# Altium PCB PCB1.PcbDoc (part 1 of 2)
Units mil, origin at the board's own origin, x right, y up, seen from the top; angles counter-clockwise.
Board outline 5095 x 2755 mil, 4 copper layers (Top Layer, Power3V3, GroundGND, Bottom Layer), stack 23.756 mil thick; 96 components, 127 nets, 451 pads, 232 vias.
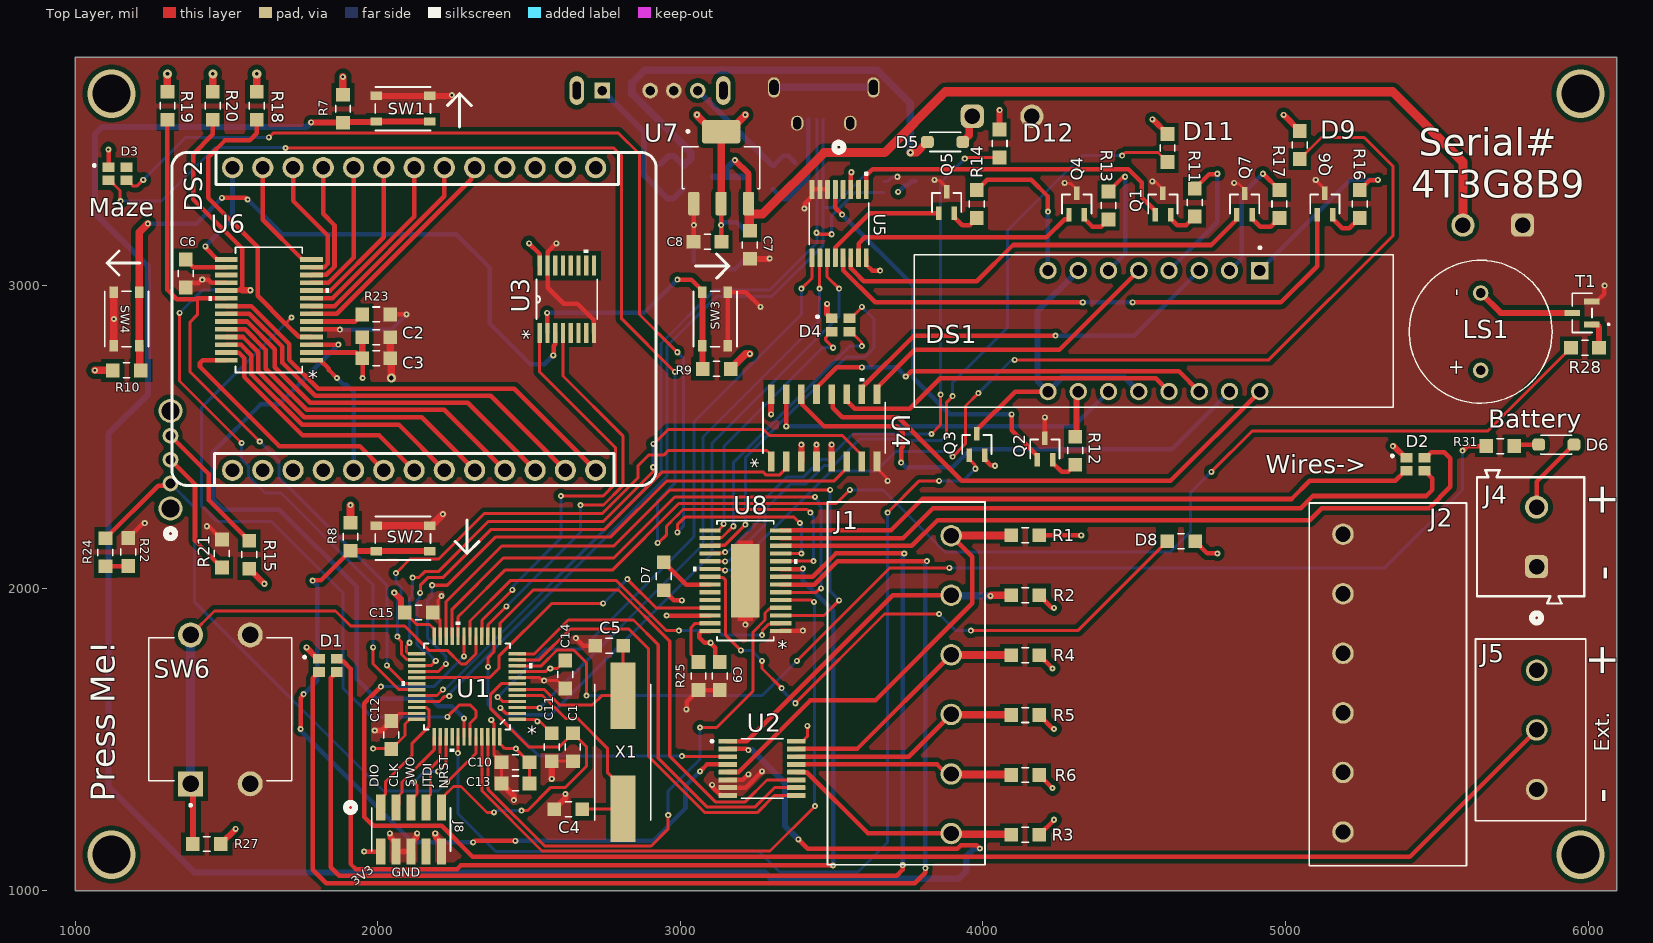
[diagram p0: Top Layer view]
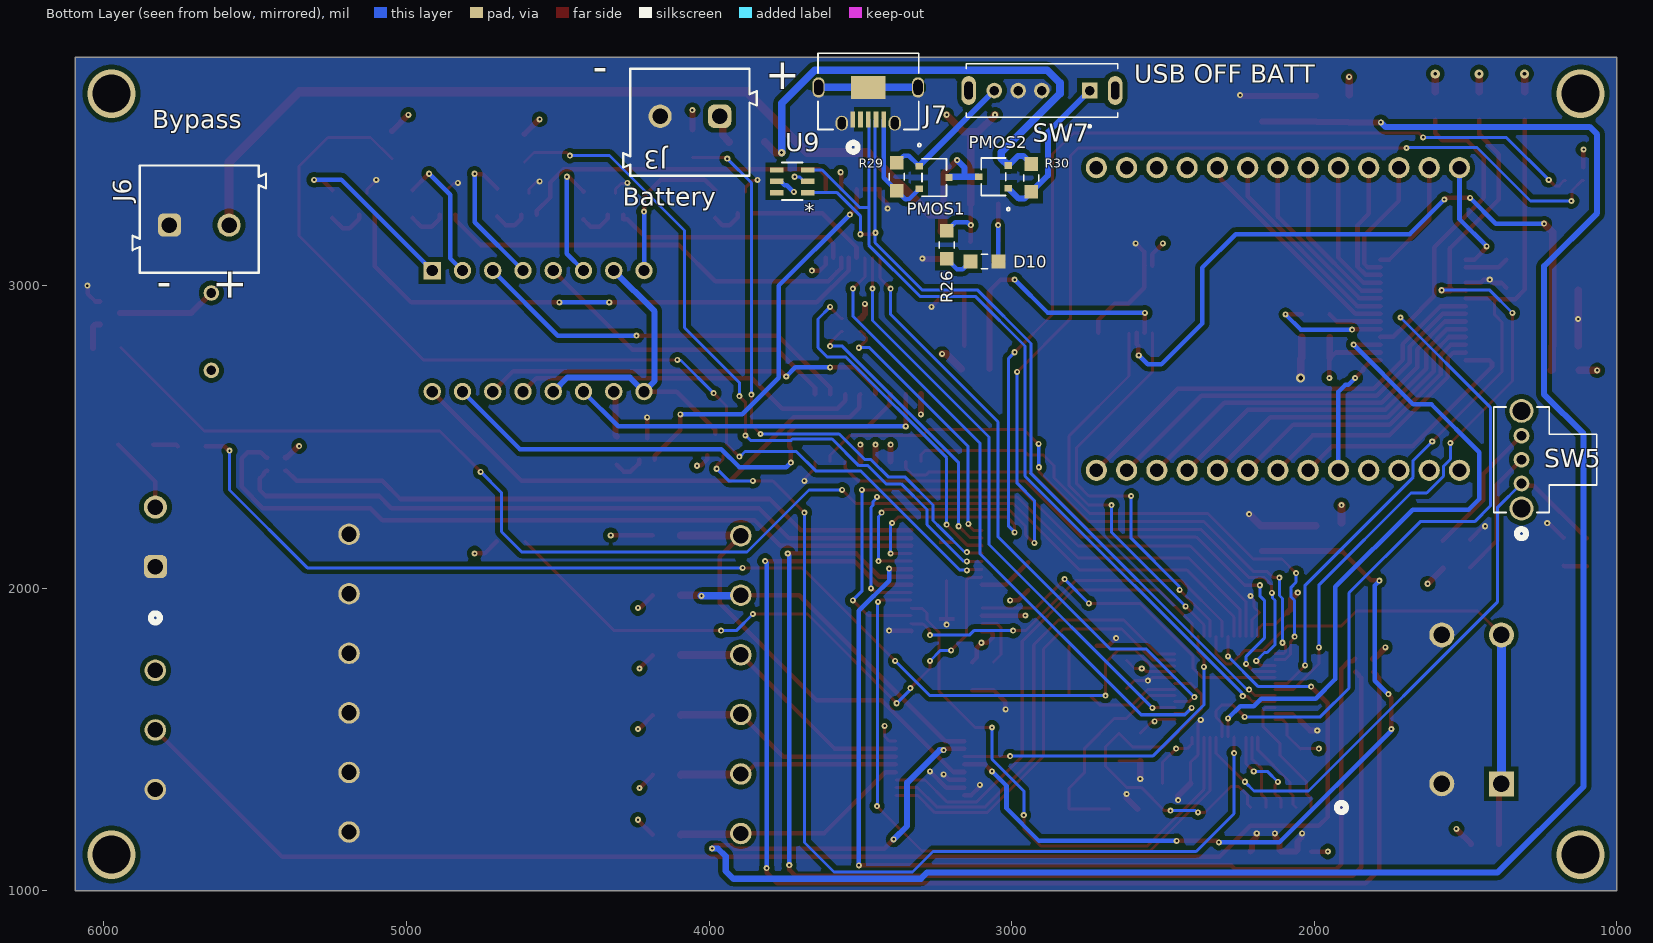
[diagram p1: Bottom Layer view, seen from below]
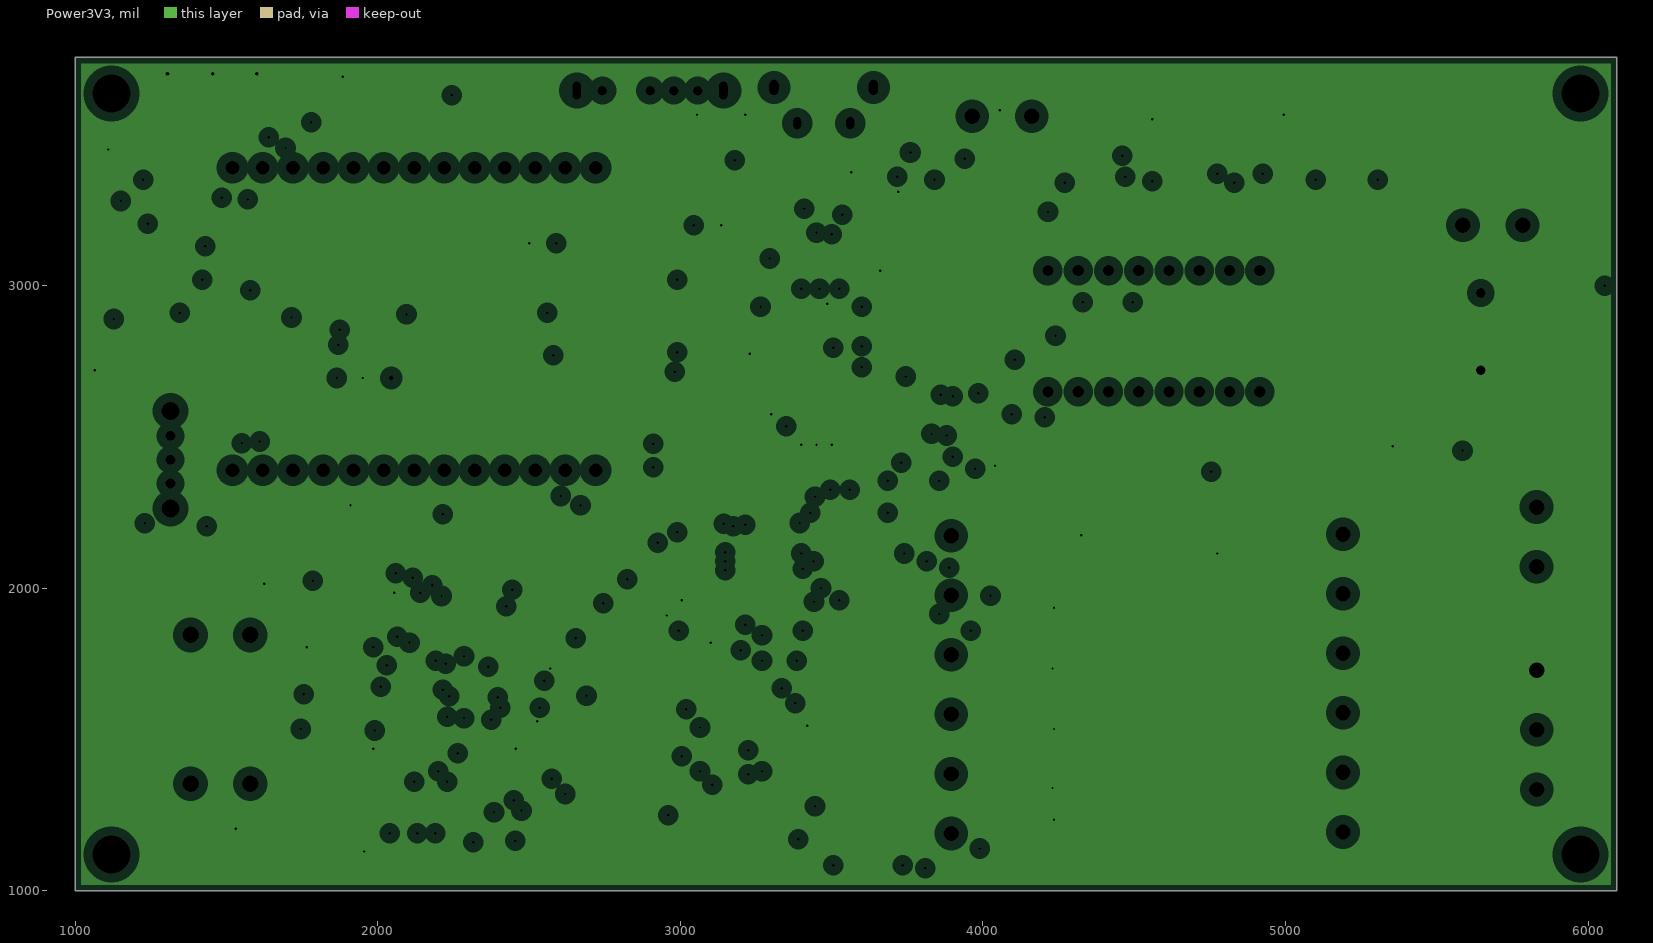
[diagram p2: Power3V3, clearances drawn from the general rule]
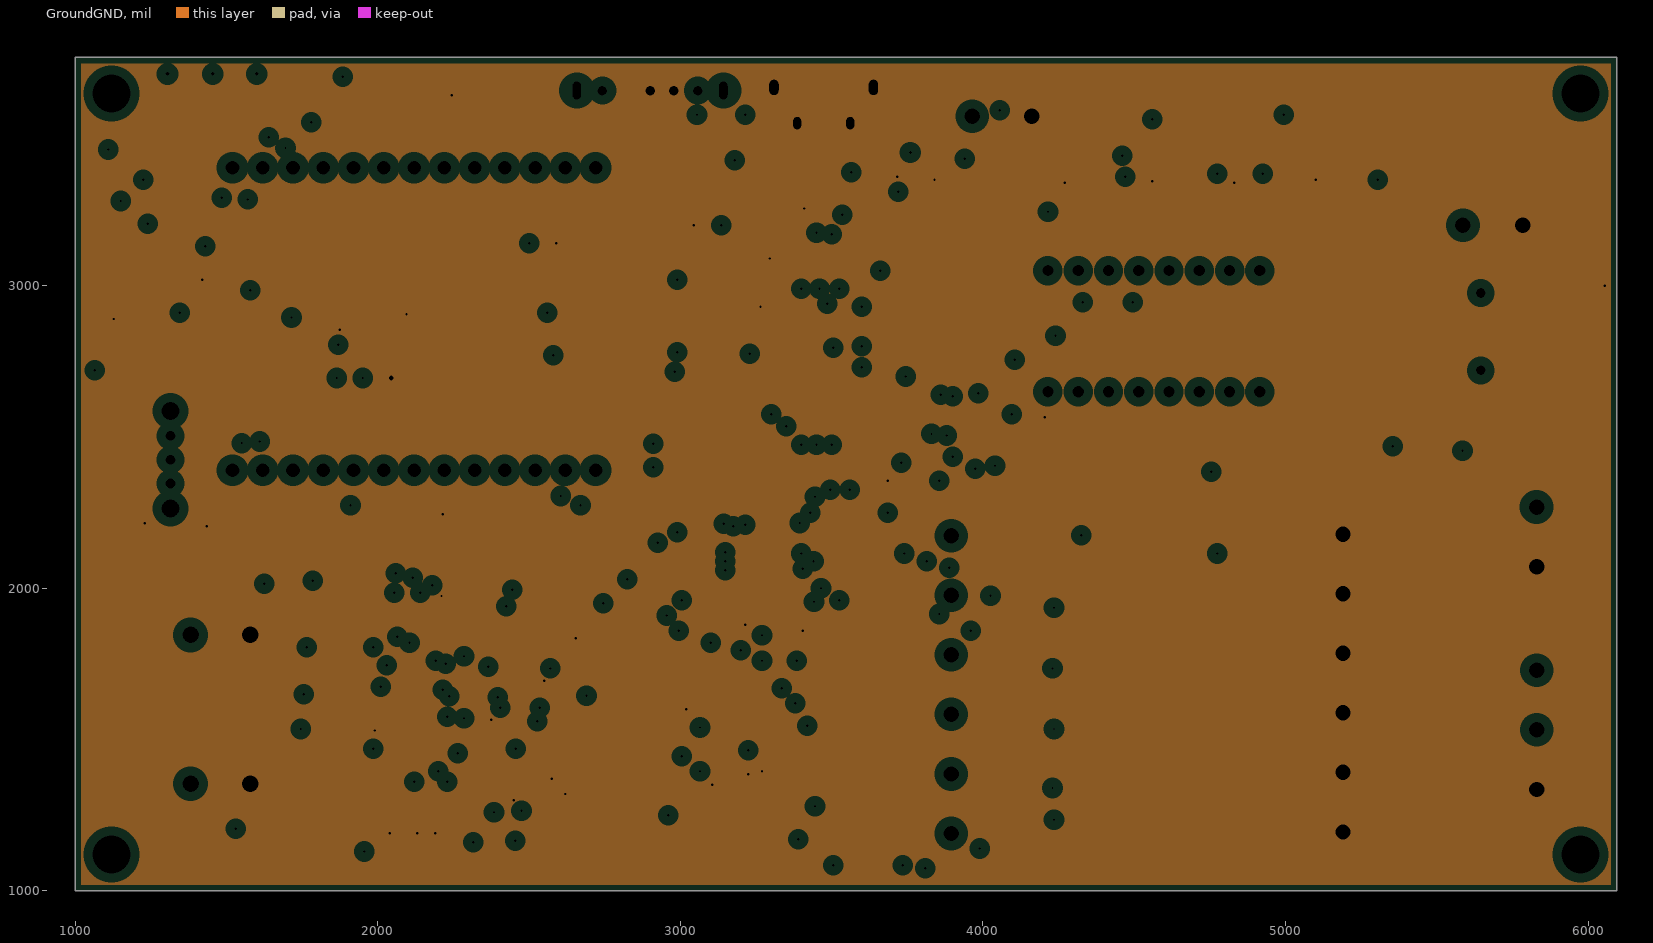
[diagram p3: GroundGND, clearances drawn from the general rule]
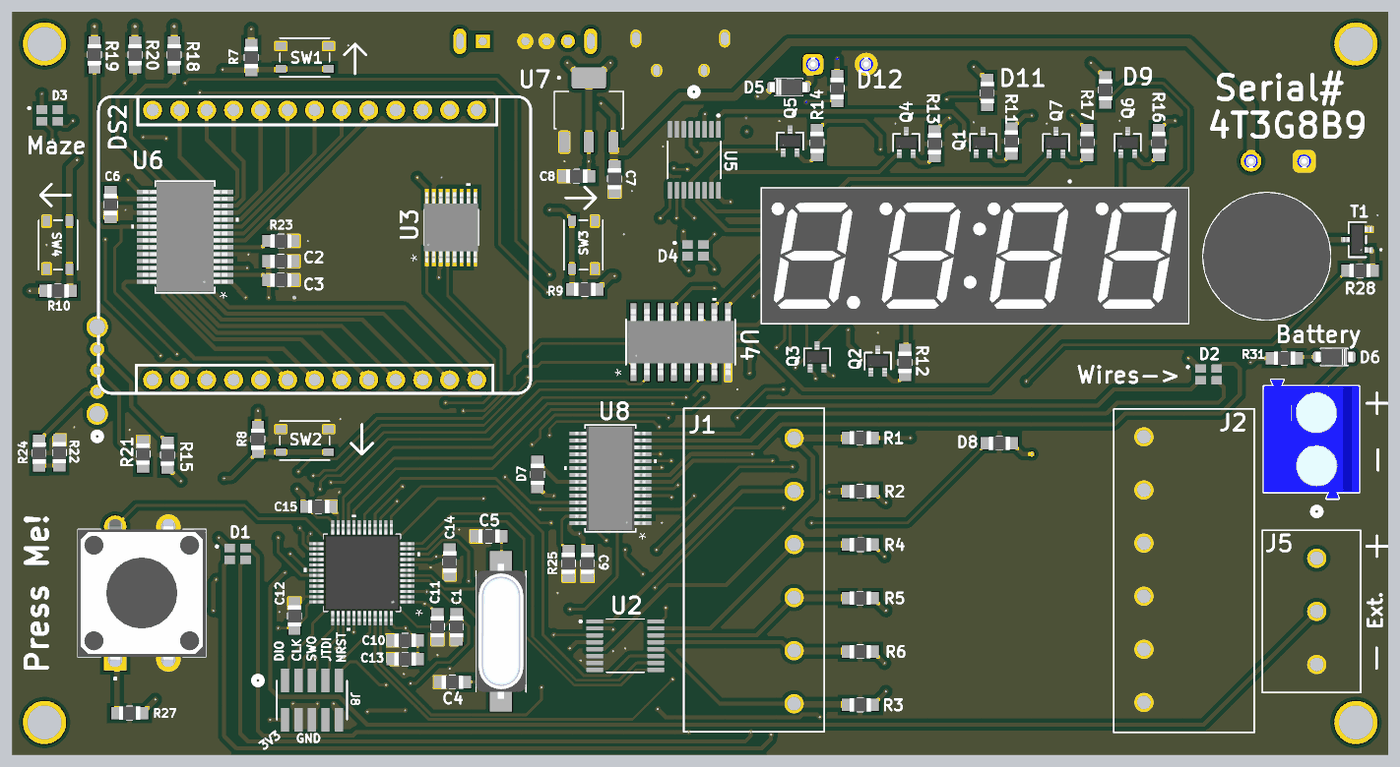
[diagram p5: 3D render of the assembled board from above, using the file's embedded part models]
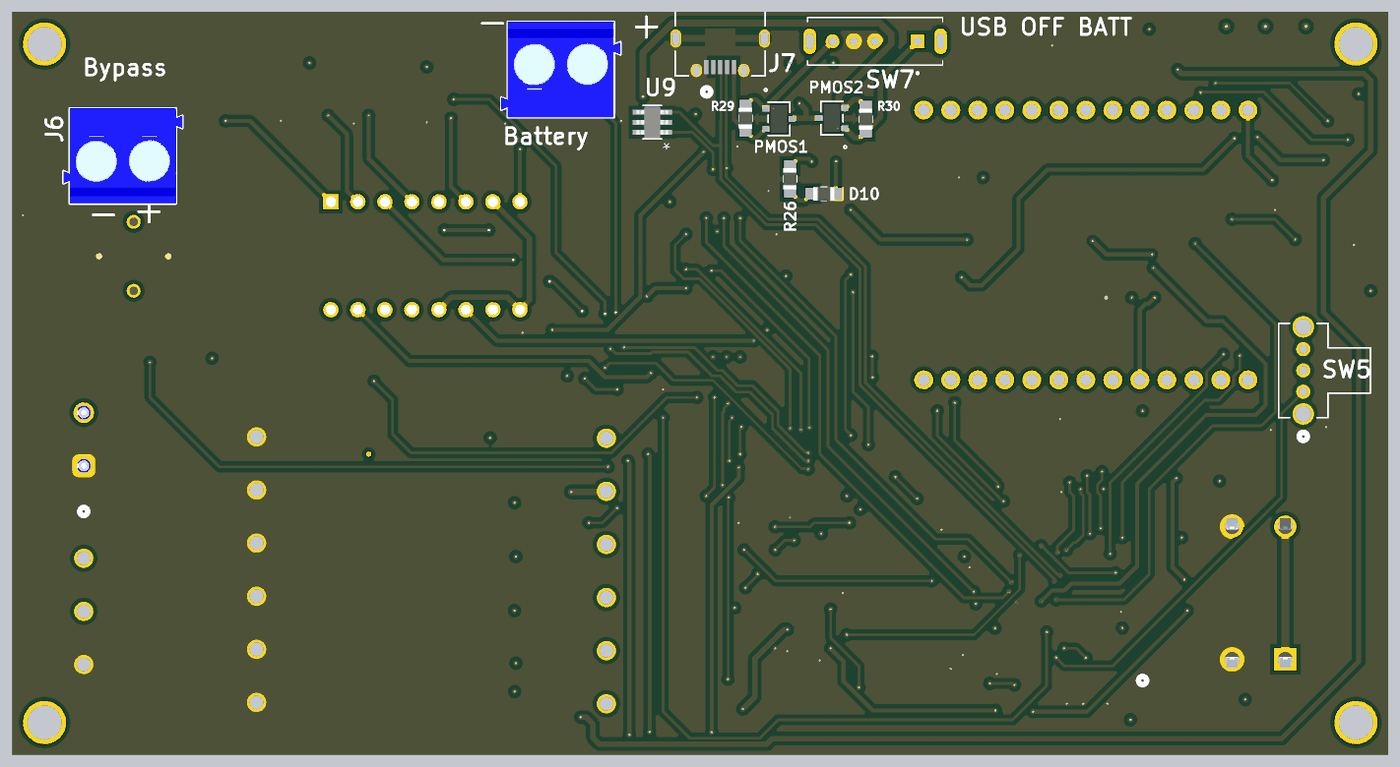
[diagram p6: 3D render of the assembled board from below, using the file's embedded part models]

## Layer stack, top to bottom
Top Solder: solder mask 0.4, Solder Resist, Dk 3.5
Top Layer: signal copper 1.4
Dielectric 2: prepreg 2.8, PP-006, Dk 4.1
Power3V3: plane copper 1.378, net +3V3
Dielectric 1: dielectric 12.6, FR-4, Dk 4.8
GroundGND: plane copper 1.378, net GND
Dielectric 5: prepreg 2.8, PP-006, Dk 4.1
Bottom Layer: signal copper 1.4
Bottom Solder: solder mask 0.4, Solder Resist, Dk 3.5

## Board outline
1000,1000 6095,1000 6095,3755 1000,3755

## Design rules (kind name [scope] priority, off if disabled: settings)
Clearance [All] p1: gap=15 ignorepadtopadclearanceinfootprint=TRUE except(7: Arc-Arc Arc-Track Arc-SMDPad Arc-THPad Arc-Via Track-Track Track-SMDPad Track-THPad Track-Via SMDPad-THPad; 10: Arc-Text Arc-Hole Track-Text Track-Hole SMDPad-SMDPad SMDPad-Via SMDPad-Text SMDPad-Hole THPad-THPad THPad-Via THPad-Text THPad-Hole Via-Via Via-Text Via-Hole Fill-Text Fill-Hole Poly-Text Poly-Hole Region-Text Region-Hole Text-Text Text-Hole)
ComponentClearance "LED Matrix" [InComponent('DS2') vs InComponent('U6')] p1: gap=0 collisioncheckmode=3 verticalgap=0 showdistances=FALSE donotcheckwithout3dbody=TRUE // Allows for stuff to be placed under the LED Matrix
ComponentClearance [All] p2: gap=10 collisioncheckmode=3 verticalgap=10 showdistances=FALSE
DiffPairsRouting [All] p1: maxlimit=10 minlimit=5 mostfreqgap=10 toplayer_minwidth=10 toplayer_maxwidth=15 toplayer_prefwidth=15 bottomlayer_minwidth=10 bottomlayer_maxwidth=15 bottomlayer_prefwidth=15 maxuncoupledlength=500
MinimumSolderMaskSliver MinimumSolderMaskSliver_MCU [InComponent('U1') vs InComponent('U1')] p1: minsoldermaskwidth=0
MinimumSolderMaskSliver MinimumSolderMaskSliver_USB [HasFootprint('USB MICRO AB 0475900001') vs HasFootprint('USB MICRO AB 0475900001')] p2: minsoldermaskwidth=0
MinimumSolderMaskSliver [All] p3: minsoldermaskwidth=10
PlaneClearance [All] p1: clearance=30
PlaneConnect [All] p1: planeconnectstyle=Direct reliefexpansion=20 reliefentries=4 reliefconductorwidth=10 reliefairgap=10
PolygonConnect [All] p1: connectstyle=Direct reliefconductorwidth=10 reliefentries=4 polygonreliefangle="90 Angle" airgapwidth=10
RoutingVias [All] p1: holewidth=8 width=20 viastyle="Through Hole" minholewidth=8 minwidth=20 maxholewidth=28 maxwidth=50
SilkToSilkClearance [All] p1: silktosilkclearance=0
SilkToSolderMaskClearance [IsPad] p1: minsilkscreentomaskgap=0 clearancetoexposedcopper=TRUE
SolderMaskExpansion [All] p1: expansion=4 istentingtop=FALSE
SupplyNets "Schematic Supply Nets_4" [InNet('+3V3')] p1: voltage=0.000
SupplyNets "Schematic Supply Nets_3" [InNet('GND')] p2: voltage=0.000
SupplyNets "Schematic Supply Nets_2" [InNet('VBatt')] p3: voltage=0.000
SupplyNets "Schematic Supply Nets_1" [InNet('Vusb')] p4: voltage=0.000
SupplyNets "Schematic Supply Nets" [InNet('Vin')] p5: voltage=0.000
Width [All] p1: maxlimit=50 minlimit=10 preferedwidth=10
23 further rules are at their usual default settings.

## Classes and differential pairs
differential pair USB: +MCU_USB_D+ -MCU_USB_D-

## Components (designator, comment, footprint, x,y, rotation, side; value= is the part's Value field where it differs from the comment)
C1 "0.1uF" 0805 2645,1475 r90 top value=100nF
C2 "1uF" 0805 1995,2830 r180 top
C3 "0.1uF" 0805 1995,2760 r180 top value=100nF
C4 "24pF" 0805 2630,1270 r0 top
C5 "24pF" 0805 2765,1810 r180 top
C6 "0.1uF" 0805 1365,3040 r270 top value=100nF
C7 "1uF" 0805 3230,3135 r90 top
C8 "4.7uF" 0805 3090,3145 r0 top
C9 "0.1uF" 0805 3130,1710 r90 top value=100nF
C10 "0.1uF" 0805 2455,1425 r0 top value=100nF
C11 "0.1uF" 0805 2575,1475 r90 top value=100nF
C12 "0.1uF" 0805 2045,1515 r270 top value=100nF
C13 "4.7uF" 0805 2455,1355 r0 top
C14 "1uF" 0805 2620,1715 r270 top
C15 "0.1uF" 0805 2135,1920 r180 top value=100nF
D1 "RGB LED" "RBG LED 4-SMD" 1835,1745 r0 top
D2 "RGB LED" "RBG LED 4-SMD" 5430,2410 r0 top
D3 "RGB LED" "RBG LED 4-SMD" 1140,3370 r0 top
D4 "RGB LED" "RBG LED 4-SMD" 3530,2870 r0 top
D5 "1A" "SOD-123F DIODE SCHOTTKY" 3875,3475 r0 top
D6 "1A" "SOD-123F DIODE SCHOTTKY" 5895,2475 r180 top
D7 "Red 2V" 0805 2945,2040 r90 top
D8 "Red 2V" 0805 4655,2155 r180 top
D9 "Red 2V" 0805 5047.5,3465 r270 top
D10 "Red 2V" 0805 3090,3080 r180 bottom
D11 "Red 2V" 0805 4610,3455 r270 top
D12 "Red 2V" 0805 4055,3470 r270 top
DS1 "TDCR1060M" "16-DIP 4CHAR-7SEG" 4565,2850 r180 top
DS2 "LED Matrix" "LED MATRIX 9X16 CHARLIE" 2720,3390 r180 top locked
J1 "5mm" "CON 6POS SCREW 5.00MM" 3895,2173.7 r90 top
J2 "5mm" "CON 6POS SCREW 5.00MM" 5190,1194.45 r270 top
J3 "5mm" "CON 2POS SCREW 5.00MM" 4063.43,3540.31 r0 bottom
J4 "5mm" "CON 2POS SCREW 5.00MM" 5810,2170 r90 top
J5 "5mm" "CONN 3POS 5.00MM" 5830,1728.7 r270 top
J6 "5mm" "CON 2POS SCREW 5.00MM" 5685,3220 r180 bottom
J7 "micro ab" "USB MICRO AB 0475900001" 3473.82,3457.54 r0 bottom
J8 "1.27mm" "CON 10PIN 2ROW 1.27MM" 2010,1275.67 r0 top
LS1 "CEM-1203(42)" "BUZZER CEM-1203(42)" 5645,2847.95 r90 top
PMOS1 "6A" "SOT-23F MOS PMOS 30V 6A" 3256,3357.6 r270 bottom
PMOS2 "6A" "SOT-23F MOS PMOS 30V 6A" 3060,3360 r90 bottom
Q1 "NMOS" "SOT-323 MOS" 4595,3270 r0 top
Q2 "NMOS" "SOT-323 MOS" 4205,2460 r0 top
Q3 "NMOS" "SOT-323 MOS" 3980,2475 r0 top
Q4 "NMOS" "SOT-323 MOS" 4310,3270 r0 top
Q5 "NMOS" "SOT-323 MOS" 3880,3275 r0 top
Q6 "NMOS" "SOT-323 MOS" 5130,3270 r0 top
Q7 "NMOS" "SOT-323 MOS" 4865,3269.5 r0 top
R1 "20k" 0805 4140,2175 r0 top value=20kR
R2 "20k" 0805 4140,1977 r0 top value=20kR
R3 "20k" 0805 4140,1185 r0 top value=20kR
R4 "20k" 0805 4140,1779 r0 top value=20kR
R5 "20k" 0805 4140,1581 r0 top value=20kR
R6 "20k" 0805 4140,1383 r0 top value=20kR
R7 "10k" 0805 1885,3585 r90 top value=10kR
R8 "10k" 0805 1910,2170 r90 top value=10kR
R9 "10k" 0805 3120,2725 r0 top value=10kR
R10 "10k" 0805 1170,2720 r180 top value=10kR
R11 "162" 0805 4700,3275 r90 top value=162R
R12 "162" 0805 4305,2455 r90 top value=162R
R13 "162" 0805 4415,3265 r90 top value=162R
R14 "162" 0805 3980,3270 r90 top value=162R
R15 "10k" 0805 1575,2111.26 r270 top value=10kR
R16 "162" 0805 5245,3270 r90 top value=162R
R17 "162" 0805 4980,3270 r90 top value=162R
R18 "4.7k" 0805 1600,3595 r90 top value=4.7kR
R19 "4.7k" 0805 1305,3595 r90 top value=4.7kR
R20 "4.7k" 0805 1455,3595 r90 top value=4.7kR
R21 "10k" 0805 1485,2115 r90 top value=10kR
R22 "20k" 0805 1175,2120 r270 top value=20kR
R23 "20k" 0805 1995,2905 r180 top value=20kR
R24 "20k" 0805 1100,2118.74 r90 top value=20kR
R25 "4.7k" 0805 3060,1710 r270 top value=4.7kR
R26 "536" 0805 3215,3135 r270 bottom value=536R
R27 "10k" 0805 1435,1155 r0 top value=10kR
R28 "536" 0805 5990,2795 r0 top value=536R
R29 "10k" 0805 3380,3360 r90 bottom value=10kR
R30 "10k" 0805 2935,3356.26 r270 bottom value=10kR
R31 "10k" 0805 5710,2470 r180 top value=10kR
SW1 "Oval" "OVAL BUTTON" 2083.29,3585 r180 top
SW2 "Oval" "OVAL BUTTON" 2083.29,2165 r180 top
SW3 "Oval" "OVAL BUTTON" 3115,2890 r90 top
SW4 "Oval" "OVAL BUTTON" 1170,2890 r270 top
SW5 "OS102011MA1QN1" OS102011MA1QN1 1315,2346.26 r90 bottom
SW6 "Off-Mom" "SWITCH OFF-MOM" 1480,1600 r90 top
SW7 "300mA" "SWITCH ON-ON-ON 300MA SLW-1277545-2A-RA-S-D" 2900,3645 r0 bottom
T1 "npn MMBT3904-TP" "SOT-23 TRANSISTOR" 5980,2910 r90 top
U1 "STM32L412CBT6" 48-LQFP 2295,1675 r180 top
U2 "SN74LV4051APWR" "16-TSSOP MUX 8TO1" 3270,1405 r0 top
U3 "SN74CBTLV3257PWR" "16-TSSOP 1:2 SWITCH SN74CBTLV3257PWR" 2625,2955 r90 top
U4 "SN74LS47DR" "16-SOIC 7-SEG DRIVER" 3475,2530 r90 top
U5 "SN74LV4051APWR" "16-TSSOP MUX 8TO1" 3525,3205 r270 top
U6 "IS31FL3731-SALS2-TR" "28-SSOP LED MATRIX DRIVER" 1640,2920 r180 top
U7 "LDL1117S33R" "SOT-223 LIN REG 3V3" 3135,3390 r90 top
U8 "TLC59401PWPR" "28-HTSSOP 16LED DRIVER" 3215,2025 r180 top
U9 "IP4220CZ6,125" "SOT-457 USB ESD" 3725,3345 r0 bottom
X1 "16MHz" "OSC 16MHZ" 2810,1457.99 r90 top
